# KiCad board Batch 1.kicad_pcb (continued)
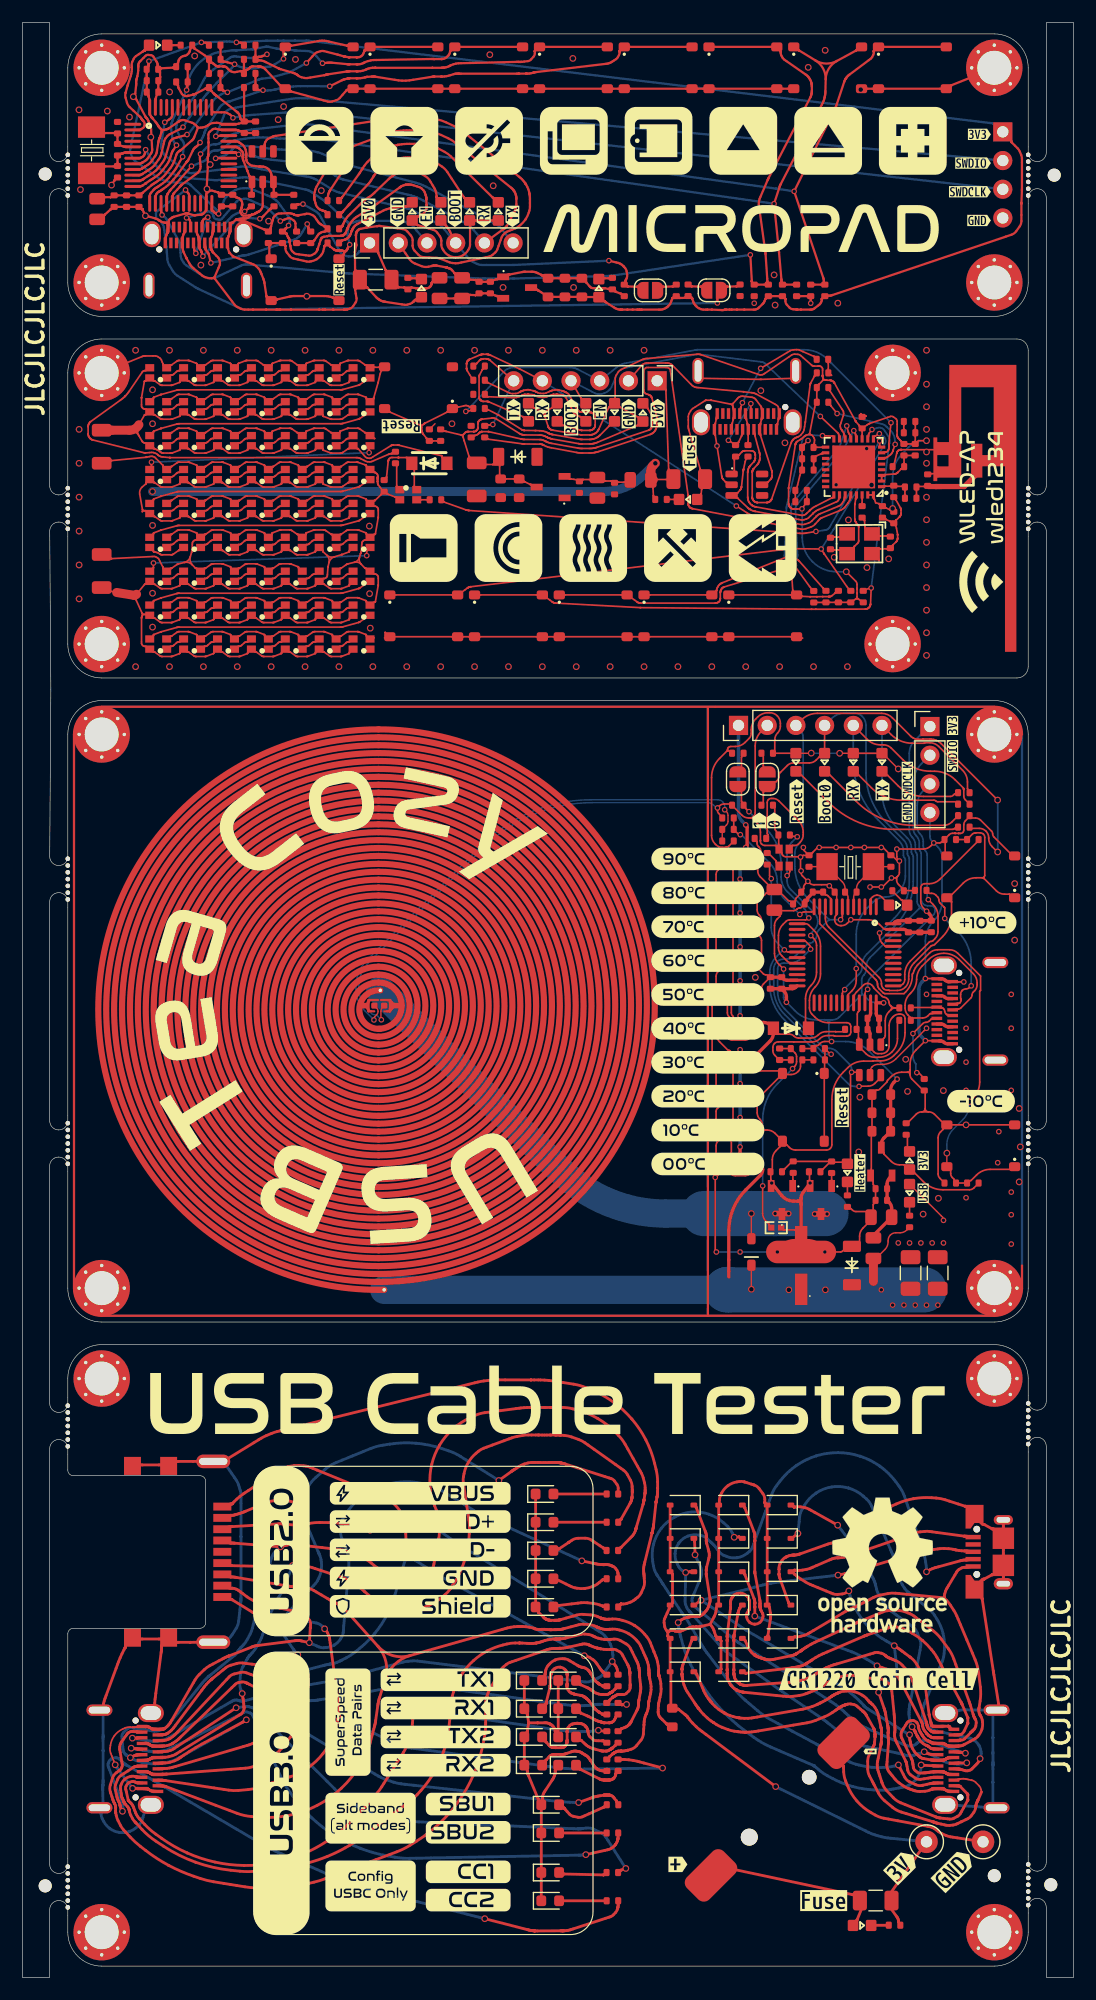
[diagram p0: board, top side]
## Routing (per net, layer and track width the routed paths; a pad name or vN(x,y) marks a point on that pad's centre or on a via; arc(x,y) is an arc through that point) (continued)
/Hotplate_EN: length 30.1
  Top w0.15: 73.28,72.48 73.28,79.95 arc(73.29,80.01) 73.32,80.06 v2(73.37,80.11) 73.75,80.11 ; 67.46,71.56 67.47,71.57 arc(67.47,71.57) 67.47,71.57 arc(67.47,71.57) 67.47,71.57 67.9,72.01 ; 68.52,72.22 71.28,72.22 ; 71.3,72 70.86,71.56 arc(70.86,71.56) 70.86,71.56 70.86,71.56 ; v2(69.74,91) 69.74,91.13 arc(69.72,91.24) 69.65,91.34 69.27,91.72 arc(69.24,91.74) 69.21,91.75 U6.16 ; 72.5,72.15 71.92,72.15
  Bottom w0.15: v2(73.37,80.11) 73.37,80.37 arc(73.32,80.61) 73.18,80.82 72.07,81.93 arc(71.74,82.15) 71.35,82.23 arc(70.96,82.3) 70.63,82.52 67.46,85.7 arc(66.99,86.4) 66.83,87.23 66.83,89.24 arc(66.87,89.44) 66.98,89.61 arc(67.15,89.73) 67.35,89.77 67.82,89.77 arc(68.46,89.89) 68.99,90.25 v2(69.74,91)
/MCU_RX: length 136.9
  Top w0.15: J6.5 74.76,109.56 arc(75.29,109.21) 75.92,109.08 76.19,109.08 arc(76.56,109.01) 76.88,108.8 77.92,107.75 arc(79.04,107.01) 80.35,106.75 80.71,106.75 arc(81.7,106.55) 82.53,105.99 83.26,105.26 arc(83.28,105.24) 83.28,105.22 83.28,105.2 arc(83.28,105.19) 83.28,105.19 arc(83.29,105.18) 83.29,105.18 83.29,105.16 arc(83.29,105.16) 83.29,105.16 arc(83.29,105.16) 83.29,105.15 83.29,105.15 arc(83.29,105.14) 83.29,105.14 83.3,105.14 arc(83.3,105.13) 83.3,105.13 83.3,104.54 arc(83.33,104.37) 83.43,104.22 83.56,104.09 ; J5.5 44.02,142.33 arc(44,142.34) 43.98,142.35 arc(43.96,142.36) 43.94,142.37 41.43,143.56 41.39,143.58 arc(41.37,143.58) 41.35,143.59 41.3,143.61 arc(41.28,143.61) 41.26,143.62 41.21,143.63 arc(41.21,143.63) 41.21,143.63 arc(41.21,143.63) 41.21,143.63 41.17,143.64 arc(41.15,143.64) 41.13,143.64 41.1,143.64 arc(41.08,143.65) 41.06,143.65 40.76,143.65 arc(40.74,143.65) 40.72,143.64 40.69,143.64 arc(40.67,143.64) 40.65,143.64 40.61,143.63 arc(40.61,143.63) 40.61,143.63 arc(40.61,143.63) 40.6,143.63 40.56,143.62 arc(40.54,143.61) 40.53,143.61 40.49,143.6 arc(40.47,143.59) 40.46,143.58 39.57,143.21 arc(39.56,143.2) 39.56,143.2 39.54,143.19 arc(39.54,143.19) 39.53,143.18 arc(39.52,143.18) 39.52,143.18 39.46,143.14 arc(39.45,143.13) 39.44,143.12 39.42,143.1 arc(39.41,143.09) 39.4,143.08 39.35,143 arc(39.34,142.99) 39.34,142.98 39.32,142.95 arc(39.32,142.93) 39.31,142.92 39.31,142.91 arc(39.31,142.9) 39.31,142.89 39.31,142.88 arc(39.31,142.88) 39.31,142.87 arc(39.31,142.87) 39.31,142.87 39.3,142.86 arc(39.3,142.85) 39.3,142.84 arc(39.3,142.83) 39.3,142.82 39.3,142.81 arc(39.29,142.8) 39.29,142.79 39.29,142.41 arc(39.29,142.4) 39.3,142.39 39.3,142.38 arc(39.3,142.37) 39.3,142.36 arc(39.3,142.35) 39.3,142.34 39.31,142.33 arc(39.31,142.33) 39.31,142.32 39.31,142.29 arc(39.32,142.27) 39.32,142.26 39.33,142.23 arc(39.34,142.22) 39.34,142.21 arc(39.35,142.2) 39.36,142.18 39.59,141.8 arc(39.68,141.65) 39.79,141.5 R30.2 ; v2(63.17,130.22) 64.23,129.54 arc(64.29,129.5) 64.35,129.47 64.49,129.42 arc(64.55,129.4) 64.62,129.38 64.74,129.36 arc(64.75,129.35) 64.76,129.35 arc(64.77,129.35) 64.78,129.35 68.55,128.65 68.89,128.58 arc(69.06,128.57) 69.23,128.6 69.56,128.71 arc(69.71,128.78) 69.84,128.89 70.24,129.29 arc(70.24,129.29) 70.24,129.29 arc(70.24,129.3) 70.24,129.3 70.25,129.3 arc(70.26,129.31) 70.26,129.32 70.29,129.35 arc(70.33,129.38) 70.36,129.41 70.45,129.47 arc(70.49,129.49) 70.53,129.51 70.62,129.55 72.16,130.18 72.27,130.23 arc(72.32,130.25) 72.37,130.29 72.46,130.37 arc(72.5,130.41) 72.53,130.45 72.68,130.71 72.7,130.74 arc(72.71,130.76) 72.72,130.78 72.73,130.82 arc(72.73,130.84) 72.73,130.86 72.73,130.91 arc(72.74,130.95) 72.74,130.99 U4.27 ; v2(73.78,89.28) 73.78,88.21 arc(73.69,87.74) 73.41,87.33 73.09,87 arc(73.06,86.96) 73.05,86.92 U6.31
  Top w0.2: U2.31 18.71,161.5 arc(18.86,161.48) 18.99,161.42 v2(19.12,161.34) ; R18.2 26.78,156.29 arc(26.78,156.3) 26.78,156.3 arc(26.78,156.3) 26.78,156.3 arc(26.78,156.3) 26.78,156.3 26.78,156.3 arc(26.77,156.3) 26.77,156.3 arc(26.77,156.3) 26.77,156.3 26.77,156.3 arc(26.77,156.31) 26.77,156.31 26.77,156.31 arc(26.76,156.31) 26.76,156.31 26.75,156.31 arc(26.75,156.31) 26.74,156.32 26.74,156.32 arc(26.74,156.32) 26.74,156.32 arc(26.73,156.32) 26.73,156.32 26.71,156.32 arc(26.69,156.32) 26.67,156.33 26.63,156.34 arc(26.61,156.34) 26.59,156.35 26.33,156.45 arc(26.25,156.49) 26.18,156.56 26.06,156.7 arc(26,156.77) 25.97,156.86 25.86,157.26 25.84,157.32 arc(25.83,157.36) 25.82,157.39 25.82,157.45 arc(25.81,157.48) 25.81,157.52 25.81,157.55 arc(25.81,157.55) 25.81,157.55 arc(25.81,157.55) 25.81,157.56 25.81,157.59 arc(25.81,157.59) 25.81,157.6 25.81,157.74 arc(25.82,157.87) 25.85,158 25.92,158.25 arc(25.96,158.37) 26.02,158.49 26.15,158.72 27.59,161.2 arc(27.66,161.3) 27.74,161.38 27.92,161.53 arc(28.01,161.6) 28.12,161.65 28.34,161.73 31.92,163.05 32.14,163.13 arc(32.25,163.17) 32.35,163.2 32.57,163.26 arc(32.68,163.29) 32.8,163.32 32.93,163.34 arc(32.94,163.34) 32.95,163.35 33.13,163.38 arc(33.27,163.41) 33.41,163.42 33.7,163.45 arc(33.84,163.46) 33.99,163.47 34.97,163.47 arc(35.12,163.46) 35.26,163.45 35.55,163.42 arc(35.69,163.41) 35.83,163.38 36.36,163.28 arc(36.7,163.19) 37.03,163.06 37.68,162.75 arc(37.99,162.58) 38.28,162.38 38.84,161.93 43.21,158.4 43.28,158.35 arc(43.31,158.32) 43.34,158.29 43.4,158.23 arc(43.42,158.2) 43.45,158.17 43.49,158.11 arc(43.49,158.11) 43.49,158.11 arc(43.49,158.11) 43.49,158.11 43.53,158.04 arc(43.56,157.99) 43.59,157.94 43.63,157.84 arc(43.64,157.79) 43.66,157.74 43.68,157.6 arc(43.69,157.58) 43.69,157.55 43.7,157.5 arc(43.7,157.47) 43.7,157.44 43.7,156.8 arc(43.7,156.73) 43.68,156.66 43.65,156.53 arc(43.63,156.47) 43.6,156.41 43.54,156.29 42.84,154.98 arc(42.84,154.97) 42.84,154.97 arc(42.83,154.96) 42.83,154.95 42.82,154.93 arc(42.81,154.93) 42.8,154.92 42.76,154.88 arc(42.76,154.87) 42.75,154.86 arc(42.75,154.86) 42.74,154.85 42.73,154.84 arc(42.72,154.84) 42.71,154.83 arc(42.7,154.83) 42.7,154.82 42.66,154.8 arc(42.65,154.79) 42.65,154.79 arc(42.65,154.79) 42.65,154.79 42.64,154.79 arc(42.64,154.78) 42.63,154.78 42.62,154.77 arc(42.61,154.77) 42.59,154.76 42.57,154.74 arc(42.55,154.73) 42.54,154.72 42.51,154.7 J2.5
  Bottom w0.15: J6.5 73.52,107.71 arc(74.09,104.86) 75.7,102.45 77.6,100.55 arc(77.87,100.15) 77.96,99.69 77.96,99.3 arc(77.98,99.19) 78.04,99.1 arc(78.1,99.01) 78.12,98.9 78.12,97.46 arc(77.99,96.75) 77.59,96.16 77.52,96.09 arc(77,95.74) 76.39,95.62 arc(75.77,95.5) 75.25,95.15 74.75,94.65 arc(74.03,93.57) 73.78,92.3 v2(73.78,89.28) ; v2(63.17,130.22) J5.5
  Bottom w0.2: v2(19.12,161.34) 20.19,161.21 20.34,161.19 arc(20.41,161.18) 20.49,161.16 20.64,161.13 arc(20.71,161.12) 20.78,161.1 21.05,161.04 arc(21.2,161) 21.36,160.97 21.67,160.91 arc(21.82,160.89) 21.98,160.87 22.29,160.84 25.02,160.55 25.39,160.51 arc(25.57,160.48) 25.76,160.43 26.11,160.31 arc(26.29,160.24) 26.45,160.16 26.78,159.97 27.63,159.48 arc(27.66,159.47) 27.68,159.45 arc(27.71,159.44) 27.73,159.42 28.06,159.23 arc(28.1,159.21) 28.15,159.19 28.24,159.15 arc(28.29,159.13) 28.34,159.12 28.44,159.1 34.1,157.77 34.38,157.7 arc(34.52,157.67) 34.65,157.62 34.92,157.52 arc(35.05,157.46) 35.18,157.4 39.17,155.26 39.33,155.17 arc(39.41,155.13) 39.49,155.07 39.63,154.95 arc(39.7,154.89) 39.77,154.82 39.89,154.68 J2.5
/MCU_TX: length 81.2
  Top w0.15: J5.6 41.36,143.12 41.35,143.13 arc(41.35,143.13) 41.34,143.14 41.33,143.14 arc(41.33,143.15) 41.33,143.15 arc(41.32,143.15) 41.32,143.15 41.26,143.19 arc(41.25,143.2) 41.24,143.2 41.21,143.22 arc(41.19,143.22) 41.18,143.23 41.14,143.23 arc(41.13,143.23) 41.13,143.23 41.12,143.24 arc(41.11,143.24) 41.1,143.24 arc(41.09,143.24) 41.08,143.24 41.07,143.24 arc(41.06,143.25) 41.05,143.25 40.77,143.25 arc(40.76,143.25) 40.75,143.24 40.74,143.24 arc(40.73,143.24) 40.72,143.24 arc(40.71,143.24) 40.7,143.24 40.69,143.23 arc(40.69,143.23) 40.69,143.23 arc(40.68,143.23) 40.68,143.23 40.64,143.23 arc(40.63,143.22) 40.61,143.22 40.58,143.2 arc(40.57,143.2) 40.56,143.19 40.49,143.15 arc(40.48,143.14) 40.48,143.14 40.46,143.12 arc(40.46,143.12) 40.45,143.11 40.18,142.83 arc(40.17,142.82) 40.17,142.82 40.17,142.82 arc(40.17,142.82) 40.17,142.82 40.16,142.81 arc(40.16,142.81) 40.16,142.81 arc(40.16,142.81) 40.15,142.81 R35.2 ; v2(72.76,87.42) 72.65,87.32 arc(72.58,87.2) 72.55,87.06 U6.30 ; v2(41.62,137.43) 41.23,137.37 arc(41.23,137.37) 41.23,137.37 arc(41.23,137.37) 41.23,137.37 41.22,137.37 arc(41.22,137.37) 41.22,137.37 41.18,137.37 arc(41.15,137.37) 41.11,137.36 R32.2 ; J6.6 76.87,109.99 arc(77.72,109.42) 78.72,109.23 79.77,109.23 arc(79.8,109.23) 79.82,109.25 arc(79.84,109.26) 79.87,109.27 80.3,109.27 arc(80.72,109.18) 81.08,108.94 83.2,106.83 arc(83.51,106.35) 83.62,105.79 83.62,105.21 arc(83.63,105.19) 83.64,105.18 83.65,105.16
  Top w0.2: R17.2 27.02,157.42 arc(27.02,157.47) 27.02,157.52 27.02,157.63 arc(27.03,157.69) 27.04,157.74 27.07,157.86 arc(27.09,157.91) 27.11,157.97 27.18,158.1 arc(27.19,158.11) 27.19,158.12 27.21,158.14 arc(27.21,158.15) 27.22,158.16 27.23,158.18 v2(28.7,160.42) ; U2.30 17.65,161 arc(17.63,161) 17.62,161 arc(17.61,161) 17.59,161 v2(17.08,160.98)
  Bottom w0.15: J6.6 76.06,104.92 arc(76.4,103.22) 77.36,101.78 78.3,100.84 arc(78.57,100.44) 78.66,99.98 78.66,99.59 arc(78.68,99.48) 78.74,99.39 arc(78.8,99.3) 78.83,99.19 78.83,96.99 arc(78.4,94.85) 77.19,93.03 74.69,90.54 arc(74.41,90.11) 74.31,89.61 74.31,89.42 arc(74.24,89.09) 74.05,88.81 72.79,87.55 arc(72.77,87.51) 72.76,87.47 v2(72.76,87.42) ; v2(41.62,137.43) J5.6
  Bottom w0.2: v2(17.08,160.98) 17.78,161.2 arc(17.91,161.25) 18.03,161.32 18.26,161.47 arc(18.37,161.56) 18.46,161.66 18.61,161.84 arc(18.66,161.89) 18.72,161.93 18.84,162 arc(18.91,162.03) 18.98,162.05 19.04,162.05 arc(19.05,162.05) 19.06,162.05 arc(19.07,162.06) 19.09,162.06 19.24,162.07 arc(19.4,162.08) 19.56,162.09 19.89,162.08 arc(20.05,162.07) 20.21,162.06 22,161.84 22.19,161.81 arc(22.28,161.8) 22.37,161.79 22.55,161.78 arc(22.64,161.77) 22.74,161.77 22.92,161.76 24.75,161.7 25.21,161.69 arc(25.43,161.67) 25.66,161.63 26.11,161.53 arc(26.33,161.46) 26.54,161.38 v2(28.7,160.42) 34.49,158.91 34.81,158.83 arc(34.97,158.78) 35.12,158.73 35.43,158.61 arc(35.58,158.54) 35.73,158.47 36.02,158.31 41.71,155.26 41.87,155.17 arc(41.95,155.13) 42.03,155.07 42.17,154.95 arc(42.24,154.89) 42.31,154.82 42.43,154.68 J2.6
/Mute_Mic: length 45.7
  Top w0.2: v2(26.54,169.4) 26.9,169.44 27.01,169.45 arc(27.06,169.46) 27.11,169.46 27.22,169.46 arc(27.27,169.46) 27.33,169.45 27.43,169.44 28.72,169.32 arc(28.73,169.32) 28.74,169.32 arc(28.75,169.32) 28.75,169.32 28.79,169.32 arc(28.82,169.32) 28.84,169.31 28.84,169.31 arc(28.86,169.31) 28.88,169.31 arc(28.9,169.31) 28.92,169.31 28.93,169.31 arc(28.95,169.31) 28.97,169.31 29.52,169.31 arc(29.55,169.31) 29.58,169.31 29.6,169.31 arc(29.61,169.31) 29.61,169.31 29.7,169.31 arc(29.77,169.31) 29.84,169.32 29.99,169.35 arc(30.06,169.37) 30.13,169.4 30.32,169.5 arc(30.44,169.55) 30.56,169.59 30.81,169.65 arc(30.94,169.68) 31.07,169.69 31.32,169.69 36.2,169.78 36.24,169.78 arc(36.26,169.78) 36.29,169.78 36.33,169.78 arc(36.35,169.78) 36.37,169.78 36.38,169.78 arc(36.39,169.78) 36.4,169.78 arc(36.41,169.78) 36.43,169.78 36.43,169.78 arc(36.45,169.77) 36.47,169.77 37.06,169.77 arc(37.07,169.77) 37.08,169.78 37.09,169.78 arc(37.1,169.78) 37.11,169.78 37.21,169.79 arc(37.27,169.8) 37.32,169.82 37.43,169.87 arc(37.47,169.89) 37.52,169.93 37.68,170.09 arc(37.72,170.13) 37.75,170.18 37.8,170.29 arc(37.82,170.34) 37.83,170.4 37.83,170.45 arc(37.83,170.46) 37.83,170.46 37.83,170.47 arc(37.83,170.47) 37.83,170.47 arc(37.83,170.47) 37.84,170.47 37.84,170.48 arc(37.84,170.48) 37.84,170.48 37.84,170.48 arc(37.84,170.49) 37.84,170.49 arc(37.84,170.49) 37.84,170.49 38.1,170.72 arc(38.26,170.82) 38.45,170.85 SW3.2 ; C15.1 14.61,167.86 arc(14.61,167.75) 14.59,167.64 14.58,167.58 arc(14.58,167.53) 14.57,167.48 14.57,167.41 arc(14.57,167.38) 14.57,167.36 14.57,167.31 arc(14.57,167.29) 14.56,167.27 v2(14.51,167.03) ; U2.12 10.31,158.5 arc(10.36,158.5) 10.42,158.51 10.49,158.53 arc(10.52,158.53) 10.54,158.54 10.58,158.56 arc(10.6,158.57) 10.62,158.58 10.66,158.61 10.87,158.75 arc(10.88,158.76) 10.88,158.77 10.89,158.77 arc(10.89,158.77) 10.9,158.78 arc(10.91,158.78) 10.91,158.78 10.92,158.79 arc(10.93,158.8) 10.94,158.81 11.23,159 arc(11.27,159.03) 11.31,159.06 arc(11.35,159.09) 11.4,159.11 11.43,159.13 arc(11.48,159.16) 11.53,159.2 arc(11.58,159.23) 11.63,159.26 11.9,159.45 arc(11.98,159.51) 12.06,159.58 12.21,159.72 arc(12.28,159.79) 12.34,159.87 12.66,160.29 12.78,160.44 arc(12.83,160.53) 12.88,160.61 12.97,160.79 arc(13.01,160.88) 13.05,160.97 13.18,161.4 13.21,161.47 arc(13.22,161.5) 13.23,161.53 13.26,161.6 arc(13.28,161.63) 13.3,161.66 v2(13.62,162.15)
  Bottom w0.2: v2(26.54,169.4) 25.99,170.04 25.85,170.2 arc(25.77,170.28) 25.68,170.33 25.48,170.43 arc(25.38,170.47) 25.27,170.48 25.05,170.49 24.2,170.52 arc(24.18,170.53) 24.16,170.53 24.12,170.53 arc(24.1,170.53) 24.09,170.54 24.05,170.54 23.24,170.66 23.2,170.67 arc(23.18,170.67) 23.16,170.67 23.12,170.67 arc(23.1,170.67) 23.08,170.67 arc(23.06,170.67) 23.04,170.67 22.81,170.66 arc(22.77,170.66) 22.72,170.66 22.64,170.67 arc(22.6,170.68) 22.56,170.68 21.74,170.86 arc(21.7,170.87) 21.67,170.87 21.6,170.87 arc(21.56,170.87) 21.53,170.86 21.46,170.85 20.44,170.65 arc(20.42,170.65) 20.4,170.65 20.35,170.64 arc(20.33,170.64) 20.31,170.64 20.27,170.63 18.98,170.55 18.96,170.55 arc(18.94,170.55) 18.93,170.55 18.91,170.55 arc(18.89,170.55) 18.88,170.55 18.82,170.56 arc(18.79,170.56) 18.75,170.56 18.69,170.56 arc(18.65,170.56) 18.62,170.55 17.93,170.46 17.31,170.37 arc(17.01,170.3) 16.73,170.18 16.45,170.04 arc(15.93,169.7) 15.47,169.29 arc(15.09,168.8) 14.8,168.25 14.68,167.97 arc(14.58,167.67) 14.54,167.37 v2(14.51,167.03) 13.44,164.74 13.37,164.59 arc(13.34,164.51) 13.31,164.44 13.25,164.29 arc(13.22,164.21) 13.2,164.13 13.16,163.99 arc(13.15,163.93) 13.14,163.88 13.13,163.77 arc(13.13,163.71) 13.13,163.65 13.15,163.54 13.25,162.81 arc(13.28,162.7) 13.31,162.6 13.41,162.41 arc(13.47,162.32) 13.54,162.23 13.61,162.16 arc(13.61,162.16) 13.62,162.15 v2(13.62,162.15)
/Neopixel Bus: length 71
  Top w0.15: U6.18 67.74,90.75 arc(67.62,90.77) 67.51,90.84 v2(67.42,90.94) ; U4.8 75.89,135.48 arc(75.86,135.5) 75.85,135.53 v2(75.85,135.97) ; v2(66.26,97.24) 66.18,97.32 arc(66.13,97.4) 66.11,97.49 66.11,98.22 ; R28.1 37.31,130.56 arc(37.32,130.56) 37.32,130.56 arc(37.32,130.56) 37.32,130.56 arc(37.32,130.56) 37.32,130.56 39.21,129.88 39.24,129.88 arc(39.25,129.87) 39.26,129.87 39.29,129.86 arc(39.3,129.86) 39.31,129.85 39.43,129.83 arc(39.45,129.83) 39.46,129.83 39.48,129.82 arc(39.49,129.82) 39.5,129.82 39.53,129.82 68.76,127.8 68.89,127.79 arc(68.95,127.79) 69.01,127.79 69.14,127.8 arc(69.2,127.8) 69.27,127.81 69.39,127.83 v2(70.22,127.97) ; 75.68,79.37 75.43,79.12 arc(75.16,78.94) 74.83,78.87 74.07,78.87 arc(74.05,78.87) 74.04,78.86 v2(74.03,78.85)
  Bottom w0.15: v2(70.22,127.97) 71.09,128.09 arc(71.15,128.11) 71.21,128.14 71.32,128.21 arc(71.36,128.25) 71.4,128.31 71.47,128.42 v2(75.85,135.97) ; v2(66.26,97.24) 66.26,92.92 arc(66.41,92.16) 66.84,91.52 v2(67.42,90.94) 67.37,90.94 arc(67.32,90.93) 67.28,90.9 66.72,90.34 arc(66.28,89.68) 66.13,88.91 66.13,87.87 arc(66.46,86.18) 67.41,84.75 73.07,79.1 arc(73.35,78.91) 73.67,78.85 v2(74.03,78.85)
/Noise: length 32.8
  Top w0.15: v2(72.94,137.31) 73.09,136.73 arc(73.1,136.7) 73.11,136.67 73.14,136.62 arc(73.16,136.59) 73.18,136.57 73.2,136.55 arc(73.2,136.54) 73.21,136.54 arc(73.21,136.53) 73.22,136.53 arc(73.22,136.52) 73.23,136.51 73.23,136.5 arc(73.23,136.49) 73.24,136.49 73.24,136.44 arc(73.24,136.41) 73.24,136.37 U4.13 ; SW14.1 60.79,122.35 arc(60.99,122.39) 61.16,122.49 61.41,122.71 arc(61.41,122.71) 61.41,122.71 61.41,122.72 arc(61.41,122.72) 61.41,122.72 61.41,122.73 arc(61.42,122.73) 61.42,122.73 arc(61.42,122.73) 61.42,122.73 61.42,122.74 arc(61.42,122.74) 61.42,122.75 61.42,122.78 arc(61.42,122.81) 61.43,122.84 61.45,122.91 arc(61.46,122.94) 61.48,122.97 61.56,123.12 arc(61.58,123.16) 61.61,123.19 61.66,123.25 arc(61.69,123.28) 61.72,123.3 61.77,123.34 arc(61.79,123.35) 61.8,123.36 61.8,123.36 arc(61.82,123.37) 61.84,123.38 61.87,123.4 arc(61.89,123.41) 61.91,123.42 61.95,123.43 v2(68.01,125.87) 68.62,125.43 arc(68.64,125.42) 68.65,125.42 arc(68.66,125.41) 68.68,125.39 68.7,125.37 arc(68.71,125.36) 68.73,125.35 70.84,122.96 arc(70.84,122.96) 70.84,122.96 arc(70.84,122.96) 70.84,122.96 arc(70.84,122.96) 70.84,122.95 R44.2
  Bottom w0.15: v2(68.01,125.87) 68,129.88 68,130.05 arc(68.01,130.14) 68.03,130.22 68.09,130.38 arc(68.13,130.46) 68.17,130.53 68.29,130.66 72.19,135.29 72.22,135.33 arc(72.24,135.35) 72.25,135.37 72.28,135.42 arc(72.29,135.44) 72.3,135.46 72.32,135.51 v2(72.94,137.31)
/Paste: length 55.7
  Top w0.2: v2(27.18,167.36) 28.24,167.88 28.3,167.91 arc(28.33,167.93) 28.36,167.94 28.42,167.96 arc(28.45,167.97) 28.49,167.98 28.74,168.04 arc(28.75,168.05) 28.76,168.05 arc(28.76,168.05) 28.77,168.05 28.79,168.05 arc(28.8,168.06) 28.8,168.06 28.88,168.07 arc(28.89,168.07) 28.9,168.07 arc(28.9,168.07) 28.91,168.07 28.93,168.07 arc(28.93,168.07) 28.94,168.07 29.54,168.07 arc(29.55,168.07) 29.56,168.07 29.56,168.07 arc(29.57,168.07) 29.57,168.07 arc(29.58,168.07) 29.59,168.07 29.68,168.07 arc(29.78,168.07) 29.87,168.08 30.07,168.1 arc(30.16,168.12) 30.26,168.14 30.38,168.18 arc(30.4,168.18) 30.42,168.19 30.45,168.19 arc(30.47,168.2) 30.49,168.2 30.89,168.22 arc(30.91,168.22) 30.93,168.22 arc(30.95,168.23) 30.97,168.23 31.06,168.23 arc(31.07,168.23) 31.07,168.23 31.09,168.22 arc(31.1,168.22) 31.11,168.22 arc(31.12,168.22) 31.12,168.22 31.17,168.22 arc(31.19,168.21) 31.21,168.21 arc(31.23,168.21) 31.25,168.21 32.94,167.94 33.26,167.89 arc(33.42,167.87) 33.59,167.86 33.91,167.86 arc(34.08,167.87) 34.24,167.89 34.56,167.94 36.25,168.21 arc(36.27,168.21) 36.29,168.21 arc(36.31,168.21) 36.33,168.22 36.38,168.22 arc(36.38,168.22) 36.39,168.22 arc(36.4,168.22) 36.41,168.22 36.43,168.23 arc(36.43,168.23) 36.44,168.23 37.04,168.23 arc(37.05,168.23) 37.06,168.23 37.06,168.23 arc(37.07,168.23) 37.07,168.23 37.16,168.22 arc(37.25,168.22) 37.34,168.23 37.52,168.26 arc(37.61,168.27) 37.69,168.3 38.14,168.43 38.21,168.45 arc(38.24,168.46) 38.28,168.47 38.35,168.48 arc(38.38,168.48) 38.42,168.48 38.52,168.48 arc(38.55,168.48) 38.58,168.48 38.59,168.48 arc(38.6,168.48) 38.61,168.48 arc(38.62,168.48) 38.63,168.48 38.68,168.48 arc(38.74,168.48) 38.79,168.48 43.71,168.48 arc(43.76,168.48) 43.82,168.48 43.87,168.48 arc(43.88,168.48) 43.89,168.48 arc(43.9,168.48) 43.91,168.48 43.92,168.48 arc(43.95,168.48) 43.98,168.48 44.55,168.48 arc(44.56,168.48) 44.56,168.48 44.58,168.48 arc(44.59,168.48) 44.6,168.48 44.71,168.48 arc(44.78,168.49) 44.85,168.5 45,168.52 arc(45.07,168.53) 45.14,168.55 45.26,168.59 arc(45.28,168.59) 45.3,168.6 45.35,168.61 arc(45.38,168.61) 45.4,168.62 45.45,168.62 51.62,169.35 51.74,169.36 arc(51.8,169.37) 51.86,169.39 51.98,169.43 arc(52.04,169.46) 52.09,169.49 52.52,169.77 arc(52.61,169.84) 52.67,169.93 52.78,170.12 arc(52.82,170.23) 52.83,170.34 52.83,170.45 arc(52.83,170.46) 52.83,170.46 52.83,170.46 arc(52.83,170.46) 52.83,170.47 arc(52.83,170.47) 52.83,170.47 52.84,170.48 arc(52.84,170.48) 52.84,170.48 52.84,170.48 arc(52.84,170.49) 52.84,170.49 arc(52.84,170.49) 52.84,170.49 53.1,170.72 arc(53.26,170.82) 53.45,170.85 SW6.2 ; U2.14 11.75,157.51 arc(11.76,157.61) 11.79,157.71 11.85,157.83 arc(11.86,157.86) 11.89,157.89 11.93,157.95 arc(11.96,157.97) 11.99,157.99 12.12,158.07 arc(12.15,158.09) 12.19,158.11 12.25,158.15 arc(12.29,158.17) 12.32,158.2 12.48,158.31 12.69,158.46 arc(12.79,158.54) 12.88,158.62 13.07,158.79 arc(13.15,158.88) 13.24,158.97 13.33,159.09 arc(13.34,159.09) 13.34,159.09 13.67,159.49 arc(13.69,159.52) 13.71,159.54 13.75,159.6 arc(13.77,159.62) 13.79,159.65 14.47,160.61 arc(14.48,160.63) 14.49,160.64 arc(14.5,160.65) 14.51,160.66 14.53,160.68 arc(14.54,160.69) 14.55,160.7 14.58,160.73 arc(14.59,160.75) 14.61,160.77 14.64,160.81 arc(14.66,160.83) 14.67,160.86 14.69,160.91 15.09,161.74 arc(15.12,161.78) 15.14,161.82 15.21,161.89 arc(15.24,161.92) 15.28,161.95 15.38,162.02 arc(15.42,162.06) 15.46,162.1 15.54,162.18 arc(15.58,162.22) 15.62,162.26 v2(15.71,162.39) ; v2(21.28,167.02) 20.88,167.04 arc(20.88,167.04) 20.88,167.04 20.88,167.04 arc(20.88,167.04) 20.88,167.04 arc(20.88,167.04) 20.87,167.04 20.7,167.18 arc(20.63,167.26) 20.61,167.36 C7.1
  Bottom w0.2: v2(27.18,167.36) 25.19,167.37 24.57,167.38 arc(24.25,167.37) 23.94,167.34 23.32,167.27 arc(23.01,167.23) 22.71,167.17 22.42,167.1 arc(22.4,167.09) 22.38,167.09 22.23,167.05 arc(22.1,167.03) 21.97,167.01 21.7,166.99 arc(21.56,166.99) 21.43,167 v2(21.28,167.02) 18.4,166.06 18.38,166.05 arc(18.37,166.05) 18.36,166.04 18.33,166.04 arc(18.32,166.03) 18.31,166.03 18.31,166.03 arc(18.3,166.03) 18.3,166.03 arc(18.3,166.03) 18.29,166.03 18.15,165.99 arc(18.01,165.95) 17.88,165.87 17.63,165.7 arc(17.52,165.6) 17.43,165.48 17.27,165.22 16.22,163.52 16.18,163.46 arc(16.16,163.42) 16.15,163.39 16.12,163.33 arc(16.11,163.29) 16.09,163.26 16.07,163.16 arc(16.05,163.12) 16.04,163.08 16,162.99 arc(15.99,162.95) 15.97,162.91 v2(15.71,162.39)
/Play/Pause: length 90.3
  Top w0.2: v2(12.35,155.98) 12.27,156.23 arc(12.27,156.25) 12.26,156.26 arc(12.26,156.28) 12.26,156.3 12.25,156.33 arc(12.25,156.35) 12.25,156.37 U2.15 ; v2(64.41,152.45) 64.54,150.17 arc(64.54,150.16) 64.54,150.14 64.54,150.13 arc(64.54,150.13) 64.54,150.13 64.54,150.1 arc(64.54,150.09) 64.54,150.09 64.54,150.08 arc(64.54,150.08) 64.54,150.08 64.54,150.08 arc(64.54,150.08) 64.54,150.08 arc(64.54,150.08) 64.54,150.07 64.68,149.9 arc(64.76,149.83) 64.86,149.81 65.9,149.81 arc(65.95,149.84) 65.96,149.9 65.94,149.94 arc(65.92,149.98) 65.92,150.03 65.92,150.09 arc(65.91,150.09) 65.91,150.1 65.91,150.18 arc(65.91,150.27) 65.9,150.36 65.76,152.49 arc(65.75,152.54) 65.75,152.59 arc(65.74,152.63) 65.74,152.68 65.18,156.69 65.16,156.88 arc(65.15,156.97) 65.16,157.06 65.18,157.24 arc(65.2,157.33) 65.23,157.42 65.93,159.05 65.95,159.09 arc(65.96,159.12) 65.97,159.14 65.99,159.18 arc(66,159.2) 66.01,159.22 66.03,159.26 69.69,166.33 69.73,166.4 arc(69.75,166.44) 69.76,166.47 69.79,166.55 arc(69.8,166.58) 69.81,166.62 69.83,166.76 arc(69.84,166.79) 69.84,166.82 69.85,166.87 arc(69.85,166.9) 69.85,166.92 69.85,167.38 arc(69.85,167.4) 69.85,167.43 69.84,167.48 arc(69.84,167.51) 69.83,167.54 69.8,167.69 arc(69.79,167.75) 69.77,167.8 69.73,167.9 arc(69.71,167.95) 69.68,167.99 69.58,168.15 arc(69.55,168.19) 69.51,168.23 69.44,168.3 arc(69.4,168.33) 69.36,168.37 67.59,169.6 67.41,169.73 arc(67.32,169.8) 67.26,169.89 67.15,170.09 arc(67.11,170.19) 67.09,170.31 67.09,170.44 arc(67.09,170.46) 67.08,170.47 66.88,170.7 arc(66.73,170.81) 66.55,170.85 SW8.1
  Bottom w0.2: v2(64.41,152.45) 52.11,150.6 52.07,150.59 arc(52.05,150.59) 52.03,150.59 51.99,150.58 arc(51.97,150.58) 51.95,150.58 51.9,150.58 43.54,150.35 arc(43.5,150.35) 43.45,150.35 arc(43.41,150.35) 43.37,150.35 40.93,150.35 arc(40.87,150.35) 40.81,150.35 arc(40.75,150.35) 40.69,150.35 28.92,150.8 arc(28.85,150.8) 28.79,150.8 arc(28.72,150.81) 28.66,150.81 20.01,151.58 19.85,151.6 arc(19.77,151.6) 19.69,151.59 19.53,151.56 arc(19.45,151.54) 19.37,151.51 19.23,151.44 17.4,150.58 17.08,150.43 arc(16.92,150.38) 16.75,150.37 16.4,150.39 arc(16.24,150.43) 16.08,150.5 15.79,150.69 14.47,151.53 arc(14.35,151.63) 14.26,151.75 14.09,152.02 arc(14.03,152.16) 14,152.32 13.92,153.32 arc(13.91,153.38) 13.89,153.45 13.85,153.58 arc(13.83,153.65) 13.8,153.71 13.73,153.83 12.91,155.33 12.82,155.49 arc(12.77,155.57) 12.71,155.65 12.58,155.79 arc(12.51,155.86) 12.44,155.91 v2(12.35,155.98)
/Print_Screen: length 90.1
  Top w0.2: v2(15.75,161.37) 15.73,161.29 arc(15.71,161.23) 15.7,161.17 15.69,161.05 arc(15.69,160.99) 15.69,160.92 15.73,160.47 15.75,160.26 arc(15.75,160.16) 15.72,160.06 15.63,159.87 arc(15.58,159.79) 15.51,159.72 15.34,159.59 14.07,158.64 arc(14.05,158.63) 14.04,158.61 14.02,158.59 arc(14,158.58) 13.99,158.57 13.97,158.54 arc(13.97,158.53) 13.96,158.53 13.87,158.43 arc(13.78,158.33) 13.69,158.22 13.4,157.91 arc(13.39,157.9) 13.38,157.88 13.36,157.85 arc(13.35,157.83) 13.34,157.82 13.29,157.71 arc(13.26,157.61) 13.25,157.52 U2.17 ; SW9.2 75.95,170.85 arc(75.76,170.82) 75.6,170.72 75.34,170.49 arc(75.34,170.49) 75.34,170.49 arc(75.34,170.49) 75.34,170.48 75.34,170.48 arc(75.34,170.48) 75.34,170.48 75.33,170.47 arc(75.33,170.47) 75.33,170.47 arc(75.33,170.46) 75.33,170.46 75.33,170.46 arc(75.33,170.46) 75.33,170.45 75.33,170.34 arc(75.32,170.24) 75.29,170.15 75.19,169.96 arc(75.14,169.87) 75.06,169.8 74.9,169.68 73.11,168.35 arc(73.08,168.32) 73.04,168.28 72.98,168.22 arc(72.95,168.18) 72.92,168.14 72.87,168.07 arc(72.87,168.07) 72.87,168.07 arc(72.87,168.07) 72.87,168.07 72.83,168.01 arc(72.81,167.97) 72.79,167.94 72.76,167.88 arc(72.74,167.84) 72.73,167.81 72.71,167.74 72.08,165.83 72.04,165.71 arc(72.02,165.66) 72,165.6 71.95,165.49 arc(71.93,165.43) 71.9,165.38 v2(68.28,158.07) 70.84,150.47 70.87,150.38 arc(70.88,150.34) 70.89,150.3 70.91,150.21 arc(70.91,150.17) 70.92,150.12 70.92,150.03 arc(70.92,149.98) 70.94,149.94 70.96,149.9 arc(70.95,149.84) 70.9,149.81 C26.1